# Altium PCB P22296-1-DES-1.2.PcbDoc (part 2 of 5) (continued)
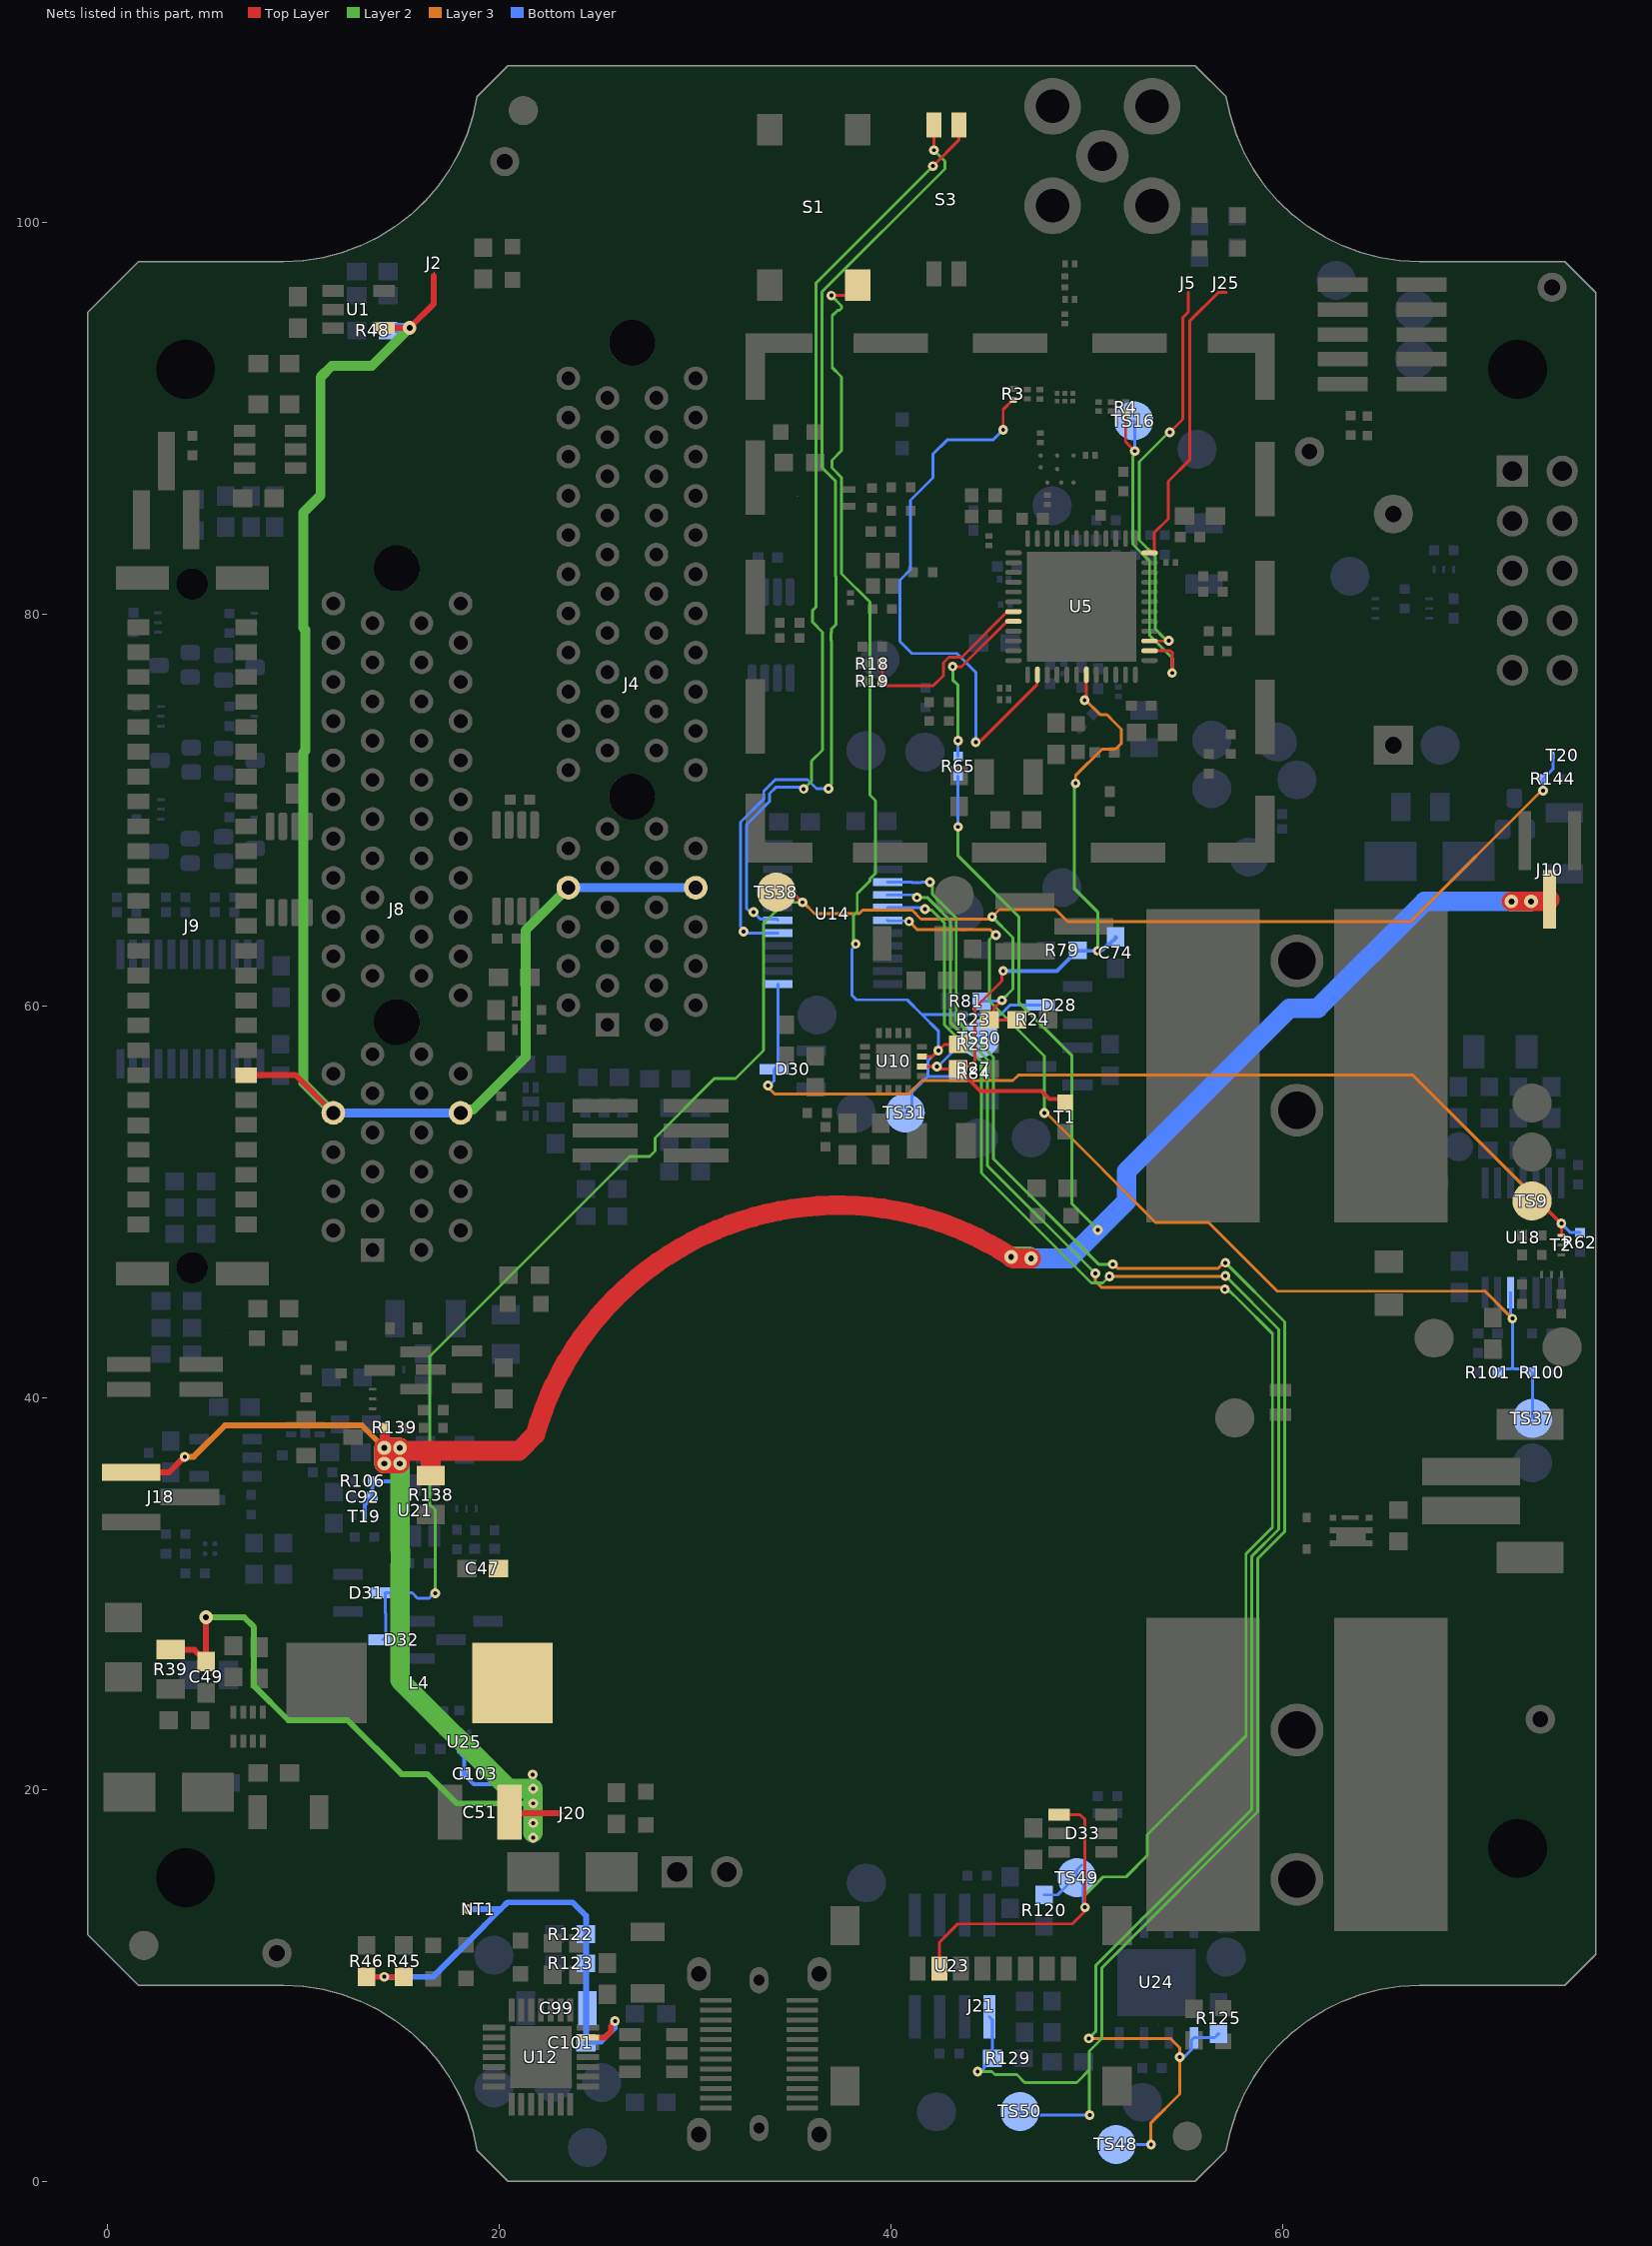
[diagram p6: the nets of this part, all layers, seen from the top]
## Part data (continued)
L3 L5: library part "IND 600E 0A3/1", "600E @100Mhz 0.3A", ManufactpartCode=742792653-WE, EngPartGrpMainCode=IND, PartCode="IND 600E 0A3/1", Preferred=False, SMD_Flag=True, Type="Ferrite bead SMD"
L4: library part "IND 8U2 10A/1", "8.2uH, 10A 33.4mOhm SMD", ManufactpartCode=SRP1038CC-8R2M-BRN, EngPartGrpMainCode=IND, PartCode="IND 8U2 10A/1", Preferred=False, SMD_Flag=True, Type="Inductor choke SMD"
L7: library part "IND 15U 0A12/1", "15uH 120mA", ManufactpartCode=MLZ2012M150WT000-TDK, EngPartGrpMainCode=IND, PartCode="IND 15U 0A12/1", Preferred=False, SMD_Flag=True, Type="Inductor choke SMD"
LBL1: library part "LBL STCK/20", "Multi-funct labels12.7 x25.4mm", ManufactpartCode=-, EngPartGrpMainCode=CASE, PartCode="LBL STCK/20", Preferred=False, SMD_Flag=False, Type="Standard Label"
LBL2: "Production Label", PartCode=LABEL
NT1: library part NET_TIE, "Net-Tie for 2 Nets"
R1 R7 R31 R33 R36 R42 R45 R46 R47 R49 R50 R122 R123: library part "R 1K/60", "1K, 100mW, 1%", ManufactpartCode=RC0603FR-071KL-YAG, EngPartGrpMainCode=RES, PartCode="R 1K/60", Preferred=True, SMD_Flag=True, Type="Resistor metalfilm SMD"
R2: library part "R 0E/90", "0E 0.05W 1%", ManufactpartCode=CRCW02010000Z0ED-VIS, EngPartGrpMainCode=RES, PartCode="R 0E/90", Preferred=False, SMD_Flag=True, Type="Resistor metalfilm SMD"
R3 R4: library part "R 100E/91", "100E 0.05W 5% 100ppm", ManufactpartCode=CRCW0201100RJNED-VIS, EngPartGrpMainCode=RES, PartCode="R 100E/91", Preferred=False, SMD_Flag=True, Type="Resistor metalfilm SMD"
R5 R8 R10 R11 R12 R16 R17 R29 R30 R35 R51 R53 R54 R55 R56 R61 R91 R92 R99 R109 R119 R121 R127 R128 R131 R132 R133 R134 R135 R136 R137: library part "R 0E/70", "0E, 62.5mW, 1%", ManufactpartCode=RC0402JR-070RL-YAG, EngPartGrpMainCode=RES, PartCode="R 0E/70", Preferred=False, SMD_Flag=True, Type="Resistor metalfilm SMD"
R6 R18 R22 R28 R58 R100 R105 R106 R108 R112 R114 R144: library part "R 1M/70", "1M, 62.5mW, 1%", ManufactpartCode=RC0402FR-071ML-YAG, EngPartGrpMainCode=RES, PartCode="R 1M/70", Preferred=False, SMD_Flag=True, Type="Resistor metalfilm SMD"
R9 R34: library part "R 100E/70", "100E, 62.5mW, 1%", ManufactpartCode=RC0402FR-07100RL-YAG, EngPartGrpMainCode=RES, PartCode="R 100E/70", Preferred=False, SMD_Flag=True, Type="Resistor metalfilm SMD"
R13 R15 R70 R72 R116 R117 R118: library part "R 4K7/70", "4K7, 62.5mW, 1%", ManufactpartCode=RC0402FR-074K7L-YAG, EngPartGrpMainCode=RES, PartCode="R 4K7/70", Preferred=False, SMD_Flag=True, Type="Resistor metalfilm SMD"
R14 R19 R32 R59 R60 R62 R63 R64 R68 R69 R73 R74 R75 R76 R77 R78 R97 R101 R143 R153: library part "R 100K/70", "100K, 62.5mW, 1%", ManufactpartCode=RC0402FR-07100KL-YAG, EngPartGrpMainCode=RES, PartCode="R 100K/70", Preferred=False, SMD_Flag=True, Type="Resistor metalfilm SMD"
R20 R48 R126 R146: library part "R 10E/60", "10E 0.1W 1%", ManufactpartCode=RC0603FR-0710RL-YAG, EngPartGrpMainCode=RES, PartCode="R 10E/60", Preferred=False, SMD_Flag=True, Type="Resistor metalfilm SMD"
R21: library part "R 1K5/60", "1K5, 100mW, 1%", ManufactpartCode=RC0603FR-071K5L-YAG, EngPartGrpMainCode=RES, PartCode="R 1K5/60", Preferred=False, SMD_Flag=True, Type="Resistor metalfilm SMD"
R23: library part "R 330E/60", "330E, 100mW, 1%", ManufactpartCode=RC0603FR-07330RL-YAG, EngPartGrpMainCode=RES, PartCode="R 330E/60", Preferred=True, SMD_Flag=True, Type="Resistor metalfilm SMD"
R24 R25 R26 R79 R80 R81 R88 R145 R154: library part "R 100K/60", "100k 100mW, 1%", ManufactpartCode=CRG0603F100K-TEC, EngPartGrpMainCode=RES, PartCode="R 100K/60", Preferred=True, SMD_Flag=True, Type="Resistor metalfilm SMD"
R27 R98: library part "R 1M/60", "1M 0.1W 1%", ManufactpartCode=RC0603FR-071ML-YAG, EngPartGrpMainCode=RES, PartCode="R 1M/60", Preferred=False, SMD_Flag=True, Type="Resistor metalfilm SMD"
R37: library part "R 22E/60", "22E 0.1W 1%", ManufactpartCode=RC0603FR-0722RL-YAG, EngPartGrpMainCode=RES, PartCode="R 22E/60", Preferred=True, SMD_Flag=True, Type="Resistor metalfilm SMD"
R38 R57 R65 R139: library part "R 10K/70", "10K, 62.5mW, 1%", ManufactpartCode=RC0402FR-0710KL-YAG, EngPartGrpMainCode=RES, PartCode="R 10K/70", Preferred=False, SMD_Flag=True, Type="Resistor metalfilm SMD"
R39: library part "R 30K9/11", "30k9 0.1W 1%", ManufactpartCode=RC0805FR-0730K9L-YAG, EngPartGrpMainCode=RES, PartCode="R 30K9/11", Preferred=False, SMD_Flag=True, Type="Resistor metalfilm SMD"
R40 R84 R94 R103 R115: library part "R 0E/60", "0E 100mW, 1%", ManufactpartCode=RC0603FR-070RL-YAG, EngPartGrpMainCode=RES, PartCode="R 0E/60", Preferred=True, SMD_Flag=True, Type="Resistor metalfilm SMD"
R41 R71 R83: library part "R 10K/60", "10k 100mW, 1%", ManufactpartCode=RC0603FR-0710KL-YAG, EngPartGrpMainCode=RES, PartCode="R 10K/60", Preferred=True, SMD_Flag=True, Type="Resistor metalfilm SMD"
R43 R111 R120 R125 R129: library part "R 47K/60", "47k 100mW 1%", ManufactpartCode=RC0603FR-0747KL-YAG, EngPartGrpMainCode=RES, PartCode="R 47K/60", Preferred=False, SMD_Flag=True, Type="Resistor metalfilm SMD"
R44: library part "R 22K/60", "22K 0.1W 1%", ManufactpartCode=RC0603FR-0722KL-YAG, EngPartGrpMainCode=RES, PartCode="R 22K/60", Preferred=False, SMD_Flag=True, Type="Resistor metalfilm SMD"
R52 R95: library part "R 0E/10", ManufactpartCode=RC1206FR-070RL-YAG, EngPartGrpMainCode=RES, PartCode="R 0E/10", Preferred=True, SMD_Flag=True, Type="Resistor metalfilm SMD"
R66: library part "R 100E/10", "100E 0.25W 1%", ManufactpartCode=RC1206FR-07100RL-YAG, EngPartGrpMainCode=RES, PartCode="R 100E/10", Preferred=True, SMD_Flag=True, Type="Resistor metalfilm SMD"
R67: library part "R 22E/17", "22E 0.5W 5%", ManufactpartCode=SG73P2ATTD220G-KOA, EngPartGrpMainCode=RES, PartCode="R 22E/17", Preferred=False, SMD_Flag=True, Type="Resistor metalfilm SMD"
R82: library part "R 0E1/0W5/10", "0E1 1% 0,5W 50ppm", ManufactpartCode=KDV12FR100ET-OHM, EngPartGrpMainCode=RES, PartCode="R 0E1/0W5/10", Preferred=False, SMD_Flag=True, Type="Resistor powerfilm SMD"
R85 R107: library part "R 15K/60", "15k 100mW 1%", ManufactpartCode=RC0603FR-0715KL-YAG, EngPartGrpMainCode=RES, PartCode="R 15K/60", Preferred=False, SMD_Flag=True, Type="Resistor metalfilm SMD"
R86 R87 R147 R148 R149 R150 R151 R152: library part "R 100E/60", "100E 100mW, 1%", ManufactpartCode=RC0603FR-07100RL-YAG, EngPartGrpMainCode=RES, PartCode="R 100E/60", Preferred=True, SMD_Flag=True, Type="Resistor metalfilm SMD"
R89: library part "R 30K/60", "30k 100mW, 1%", ManufactpartCode=RC0603FR-0730KL-YAG, EngPartGrpMainCode=RES, PartCode="R 30K/60", Preferred=False, SMD_Flag=True, Type="Resistor metalfilm SMD"
R90: library part "R 3K/60", "3k 0.1W 1%", ManufactpartCode=RC0603FR-073KL-YAG, EngPartGrpMainCode=RES, PartCode="R 3K/60", Preferred=False, SMD_Flag=True, Type="Resistor metalfilm SMD"
R93: library part "R 1K6/60", "1.6k 100mW 1%", ManufactpartCode=RC0603FR-071K6L-YAG, EngPartGrpMainCode=RES, PartCode="R 1K6/60", Preferred=False, SMD_Flag=True, Type="Resistor metalfilm SMD"
R96 R104: library part "R 0E/11", "0E 0.125W 5%", ManufactpartCode=RC0805JR-070RL-YAG, EngPartGrpMainCode=RES, PartCode="R 0E/11", Preferred=True, SMD_Flag=True, Type="Resistor metalfilm SMD"
R102: library part "R 10M/60", "10M 0.1W 1%", ManufactpartCode=RC0603FR-0710ML-YAG, EngPartGrpMainCode=RES, PartCode="R 10M/60", Preferred=False, SMD_Flag=True, Type="Resistor metalfilm SMD"
R110: library part "R 20K/60", "20k 100mW, 1%", ManufactpartCode=RC0603FR-0720KL-YAG, EngPartGrpMainCode=RES, PartCode="R 20K/60", Preferred=False, SMD_Flag=True, Type="Resistor metalfilm SMD"
R113 R140: library part "R 510K/70", "510K 62.5mW 1%", ManufactpartCode=RC0402FR-10510KL-YAG, EngPartGrpMainCode=RES, PartCode="R 510K/70", Preferred=False, SMD_Flag=True, Type="Resistor metalfilm SMD"
R124 R130: library part "R 5K1/61", "5k1 0.1W 5%", ManufactpartCode=RC0603JR-075K1L-YAG, EngPartGrpMainCode=RES, PartCode="R 5K1/61", Preferred=False, SMD_Flag=True, Type="Resistor metalfilm SMD"
R138: library part "R 68E/11", "68E  0.125W 1%", ManufactpartCode="CRG0805F68R TYC", EngPartGrpMainCode=RES, PartCode="R 68E/11", Preferred=False, SMD_Flag=True, Type="Resistor metalfilm SMD"
R141: library part "R 20K/70", "20K 1% 0.1W", ManufactpartCode=RC0402FR-0720KP-YAG, EngPartGrpMainCode=RES, PartCode="R 20K/70", Preferred=False, SMD_Flag=True, Type="Resistor metalfilm SMD"
R142: library part "R 300K/70", "300K, 62.5mW, 1%", ManufactpartCode=RC0402FR-07300KL-YAG, EngPartGrpMainCode=RES, PartCode="R 300K/70", Preferred=False, SMD_Flag=True, Type="Resistor metalfilm SMD"
RT1: library part "R 10K/NTC4", "NTC 10K 3% SMD 0805", ManufactpartCode=NTCS0805E3103JMT-VIS, EngPartGrpMainCode=RES, PartCode="R 10K/NTC4", Preferred=False, SMD_Flag=True, Type="Resistor NTC PTC LDR sens. SMD"
S1: library part "SW PBSPNO/25", "PCB SPNO 6x6.6mm, h=4,3mm refl", ManufactpartCode=B3S-1000P-OMR, EngPartGrpMainCode=SWI, PartCode="SW PBSPNO/25", Preferred=False, SMD_Flag=True, Type="Switch push button SMD"
S2: library part "MEC SHIELD", "PCB SMD shield", ManufactpartCode=2118718-2-TEC, Manufacturer="Masach Tech", Manufacturer_Part_Number=MS409-10, EngPartGrpMainCode=MEC, PartCode="MEC SHIELD", Preferred=False, SMD_Flag=True, Type="Spacer SMD"
S3: library part "SW DIP2SO/G2", "DIP,2p,Straight,H=2,3mm,SMD,AU", ManufactpartCode=GDH02S04-TYC, EngPartGrpMainCode=SWI, PartCode="SW DIP2SO/G2", Preferred=False, SMD_Flag=True, Type="Switch slide SMD"
T1: library part "IC ALS-PT19", "Ambient Light Sensor", ManufactpartCode=ALS-PT19-315C/L177/TR8-EVE, EngPartGrpMainCode=IC, PartCode="IC ALS-PT19", Preferred=False, Remark="Bottom Marking", SMD_Flag=True, Type="IC Peripheral SMD"
T2 T7 T11 T12 T13 T14 T15 T16 T17 T21: library part "TRA CSD13385F5", "7.1A, 12V, N-channel FemtoFet", ManufactpartCode=CSD13385F5-TI, EngPartGrpMainCode=TRAN, PartCode="TRA CSD13385F5", Preferred=False, SMD_Flag=True, Type="FET N-channel SMD"
T3 T9 T10 T18 T19 T20: library part "TRA CSD23285F5", "3.3A, 12V, P-channel FemtoFet", ManufactpartCode=CSD23285F5-TI, EngPartGrpMainCode=TRAN, PartCode="TRA CSD23285F5", Preferred=False, SMD_Flag=True, Type="FET P-channel SMD"
T4 T5: library part "TRA BSS139I", "30mA, 250V, 30Rds", ManufactpartCode=BSS139IXTSA1-INF, EngPartGrpMainCode=TRAN, PartCode="TRA BSS139I", Preferred=False, SMD_Flag=True, Type="FET N-channel SMD"
T6: library part "TRA 2SK932-24", "50mA, 15V, JFET N-channel", ManufactpartCode=2SK932-24-TB-E-ONS, EngPartGrpMainCode=TRAN, PartCode="TRA 2SK932-24", Preferred=False, SMD_Flag=True, Type="FET N-channel SMD"
T8: library part "TRA SIA471DJ-T1", "30V 12.9A 0.014E logic level", ManufactpartCode=SIA471DJ-T1-GE3-VIS, EngPartGrpMainCode=TRAN, PartCode="TRA SIA471DJ-T1", Preferred=False, SMD_Flag=True, Type="FET P-channel SMD"
T22: library part "TRA 2N7002", "60V 115mA", ManufactpartCode=2N7002-PHI, EngPartGrpMainCode=TRAN, PartCode="TRA 2N7002", Preferred=False, SMD_Flag=True, Type="FET N-channel SMD"
TS1 TS4 TS5 TS6 TS7 TS8 TS9 TS10 TS11 TS12 TS13 TS14 TS15 TS16 TS17 TS18 TS19 TS20 TS21 TS22 TS23 TS24 TS25 TS26 TS27 TS28 TS29 TS30 TS31 TS32 TS34 TS36 TS37 TS38 TS39 TS40 TS41 TS42 TS43 TS44 TS45 TS46 TS47 TS48 TS49 TS50: library part TESTPAD-2.0, "0.5mm Testpad SMD", PartCode=TESTPAD-2.0
U1: library part "IC TLV333/SOT", "Op-Amp zero drift", ManufactpartCode=TLV333IDBVT-TI, EngPartGrpMainCode=IC, PartCode="IC TLV333/SOT", Preferred=False, SMD_Flag=True, Type="IC OpAmp SMD"
U2: library part "IC BGS12WN6", "RF-switch", ManufactpartCode=BGS12WN6E6327XTSA1-INF, Manufacturer=INFINEON, Manufacturer_Part_Number=BGS12SN6, EngPartGrpMainCode=IC, PartCode="IC BGS12WN6", Preferred=False, SMD_Flag=True, Type="IC microcontroller SMD"
U3: library part "IC REF35250QDBV", "REF35250QDBVR, 2,5V", ManufactpartCode=REF35250QDBVR-TI, EngPartGrpMainCode=IC, PartCode="IC REF35250QDBV", Preferred=False, SMD_Flag=True, Type="IC voltage reference SMD"
U4: library part "IC BALFHB-WL-05", "Balun", ManufactpartCode=BALFHB-WL-05D3-STM, Manufacturer=STMICROELECTRONICS, Manufacturer_Part_Number="IPD STM STM32WL", EngPartGrpMainCode=IC, PartCode="IC BALFHB-WL-05", Preferred=False, SMD_Flag=True, Type="IC interface SMD"
U5: library part "IC STM32WL55CC", ManufactpartCode=STM32WL55CCU6-STM, EngPartGrpMainCode=IC, PartCode="IC STM32WL55CC", Preferred=False, SMD_Flag=True, Type="IC microcontroller SMD"
U7 U8 U13: library part "IC TCA9406", "I2C Level translator", ManufactpartCode=TCA9406DCTR-TI, EngPartGrpMainCode=IC, PartCode="IC TCA9406", Preferred=False, SMD_Flag=True, Type="IC driver SMD"
U9 U16 U20: library part "IC SIP32431DN", "load sw, 5.5V, 10pA Ishutdown", ManufactpartCode=SIP32431DNP3-T1GE4-VIS, EngPartGrpMainCode=IC, PartCode="IC SIP32431DN", Preferred=False, SMD_Flag=True, Type="IC switch SMD"
U10: library part "IC AM1805", "Low power I2C RTC", ManufactpartCode=AM1805AQ-AMB, EngPartGrpMainCode=IC, PartCode="IC AM1805", Preferred=False, SMD_Flag=True, Type="IC RTC SMD"
U11: library part "IC TPS62932", "Buck 3.8-30V to 0.2-22V 2A", ManufactpartCode=TPS62932DRLR-TI, EngPartGrpMainCode=IC, PartCode="IC TPS62932", Preferred=False, SMD_Flag=True, Type="IC regulator SMD"
U12: library part "IC CP2102N-A02", "USB to UART Bridge", ManufactpartCode=CP2102N-A02-GQFN28-SIL, EngPartGrpMainCode=IC, PartCode="IC CP2102N-A02", Preferred=False, SMD_Flag=True, Type="IC interface SMD"
U14 U15: library part "IC TCA9535/SO", "16-bits  I2C I/O Expander", ManufactpartCode=TCA9535PWR-TI, EngPartGrpMainCode=IC, PartCode="IC TCA9535/SO", Preferred=False, SMD_Flag=True, Type="IC Peripheral SMD"
U17 U19: library part "IC GLF2310A-T1", "load sw adj current limit 5.5V", ManufactpartCode=GLF2310A-T1G7-GLF, EngPartGrpMainCode=IC, PartCode="IC GLF2310A-T1", Preferred=False, SMD_Flag=True, Type="IC switch SMD"
U18: library part "IC BQ35100", "Lithium Fuel Gauge", ManufactpartCode=BQ35100PW-TI, EngPartGrpMainCode=IC, PartCode="IC BQ35100", Preferred=False, SMD_Flag=True, Type="IC analog SMD"
U21: library part "IC GLF4001", "Power mulitplexer, 5.5V, 2A", ManufactpartCode=GLF4001-GLF, EngPartGrpMainCode=IC, PartCode="IC GLF4001", Preferred=False, SMD_Flag=True, Type="IC switch SMD"
U22: library part "IC GLF76311", "Smart load sw, 2A, 5.5V", ManufactpartCode=GLF76311-GLF, EngPartGrpMainCode=IC, PartCode="IC GLF76311", Preferred=False, SMD_Flag=True, Type="IC switch SMD"
U23: library part "IC FM25L16B", "16k, SPI, FRAM", ManufactpartCode=FM25L16B-GTR-INF, EngPartGrpMainCode=IC, PartCode="IC FM25L16B", Preferred=False, SMD_Flag=True, Type="IC EEPROM smd"
U24: library part "IC AT25QF641BM", "AT25QF641b 64Mbit dataflash", ManufactpartCode=AT25QF641B-MHB-T-ADE, EngPartGrpMainCode=IC, PartCode="IC AT25QF641BM", Preferred=False, SMD_Flag=True, Type="IC Flash SMD"
U25: library part "IC ADCMP380-1", "LM293 dual comparator", ManufactpartCode=ADCMP380-1ACBZ-RL7-AD, EngPartGrpMainCode=IC, PartCode="IC ADCMP380-1", Preferred=False, SMD_Flag=True, Type="IC comparator SMD"
XT1: library part "OSC 32MHZ/2", "32Mhz 1V7-3V465 2x1.6mm", ManufactpartCode=ECS-TXO-20CSMV-320-EY-TR-ECS, EngPartGrpMainCode=XTAL, PartCode="OSC 32MHZ/2", Preferred=False, SMD_Flag=True, Type="Crystal Oscillator SMD"
XT2 XT3: library part "XT 32.768KHZ/S2", "32.768kHz 20ppm 12.5pF", ManufactpartCode="FC-135 32.7680KA-A3-EPS", EngPartGrpMainCode=XTAL, PartCode="XT 32.768KHZ/S2", Preferred=False, SMD_Flag=True, Type="Quarz crystal SMD"
ZZDIV1 ZZDIV2: library part "MEC PCBGUIDE/2", "Vertical card guide 30mm", ManufactpartCode=VMCGLE-31M-01-ESS, EngPartGrpMainCode=MEC, PartCode="MEC PCBGUIDE/2", Preferred=False, SMD_Flag=False, Type=Various

## Via types
v1: diameter 0.5, hole 0.2, Top Layer to Bottom Layer, tented both sides, 876 vias
v2: diameter 0.7/0.7/0.7/0.7/0.7/0.7 (per signal layer), hole 0.3, Top Layer to Bottom Layer, tented bottom, 83 vias
v3: diameter 0.5, hole 0.2, Top Layer to Bottom Layer, 4 vias
v4: diameter 1, hole 0.5, Top Layer to Bottom Layer, tented bottom, 2 vias

## Nets (pads, with @x,y where several pads share a name; then routed paths per layer and width w, separated by ;. In a path a pad name is that pad's centre, name@x,y a point inside that pad or via, vN(x,y) a via of type N, cw(c..) or ccw(c..) an arc to the next point about the centre after c; other vN are vias at no path point)
3V3_DETECT_4: R65.1 U5.32 | length 8.8
  Top Layer w0.15: v1(43.16,77.33) 43.174,77.316 43.613,77.316 45.88,79.583 45.887,79.583 45.937,79.633 U5.32@46.264,79.633
  Layer 2 w0.15: v1(43.16,77.33) 43.163,77.327 43.163,76.644 43.438,76.369 v1(43.438,73.541)
  Bottom Layer w0.15: R65.1@43.438,72.741 v1(43.438,73.541)
+2V5_ref: J2.2 J4.A8 J4.B8 J8.A8 J8.B8 J9.B7 R48.2 U1.4 | length 82.3
  Top Layer w0.3: J9.B7@7.088,56.471 9.608,56.471 J8.A8@11.538,54.541 ; U1.4@14.001,94.478 U1.4@14.126,94.603 14.139,94.616 v2(15.434,94.616) 16.672,95.854 16.672,97.269
  Layer 2 w0.5: J8.A8@11.538,54.541 10.013,56.066 10.013,72.944 10.102,73.033 10.102,79.206 10.013,79.295 10.013,85.191 10.888,86.066 10.888,92.106 11.462,92.68 13.497,92.68 v2(15.434,94.616) ; J8.B8@18.038,54.541 18.211,54.715 18.686,54.715 21.363,57.391 21.363,63.866 J4.A8@23.538,66.041
  Bottom Layer w0.45: J8.A8@11.538,54.541 J8.B8@18.038,54.541 ; J4.A8@23.538,66.041 J4.B8@30.038,66.041
  Bottom Layer w0.5: R48.2@14.338,94.474 14.48,94.616 v2(15.434,94.616)
+3V3: C47.2 C49.2 C51.2 C92.2 C103.1 J10.2 J18.3 J20.2 L4.2 R39.2 R65.2 R106.2 R138.1 R139.2 T19.S U21.4 U25.A1 | length 189.1
  Top Layer w0.3: J18.3@1.213,36.192 3.153,36.192 v1(3.952,36.991) ; R39.2@3.238,27.141 4.438,27.141 4.688,26.891 4.738,26.891 C49.2@5.038,26.591 ; C49.2@5.038,26.541 C49.2@5.038,26.591 ; v2(5.038,28.791) C49.2@5.038,26.591 ; C51.2@20.538,18.841 20.588,18.791 23.088,18.791
  Top Layer w0.5: v2(14.138,37.441) 14.163,37.466 R139.2@14.163,38.466
  Top Layer w1: v2(14.138,37.441) 14.138,36.645 v2(14.142,36.641) v2(14.938,36.641) v2(14.938,37.441) v2@14.142,37.441 ; v2@14.938,37.291 16.513,37.291 ; R138.1@16.513,36.029 16.513,37.291 ; v2(47.165,47.113) 46.258,47.113 ccw(c37.323,33.748) v2(46.143,47.19) ccw(c37.323,33.748) 46.061,47.243 ccw(c37.323,33.748) 42.754,48.88 ccw(c37.323,33.748) 42.202,49.067 ccw(c37.323,33.748) 31.731,48.821 ccw(c37.323,33.748) 21.853,38.124 21.02,37.291 16.513,37.291 ; v2(71.688,65.336) v2(72.688,65.336) 73.563,65.336 73.638,65.411 J10.2@73.638,65.441
  Layer 2 w0.15: v1(43.438,69.141) 43.438,67.663 46.534,64.567 46.534,63.619 46.538,63.615 46.538,60.734 46.534,60.73 46.534,60.191 49.238,57.487 49.238,49.912 v1(50.579,48.571)
  Layer 2 w0.3: v1@3.848,37.041 3.898,36.991 v1(3.952,36.991) ; v2(5.038,28.791) 6.988,28.791 7.488,28.291 7.488,25.291 9.238,23.541 12.267,23.541 15.017,20.791 16.337,20.791 17.837,19.291 v1(21.738,19.291)
  Layer 2 w1: 21.738,17.791 v1(21.738,18.291) v1(21.738,19.291) v1(21.738,20.041) 20.488,20.041 14.938,25.591 14.938,31.443 14.963,31.468 14.963,32.214 14.938,32.239 v2(14.938,36.641) ; v2(46.143,47.19) 47.088,47.19 v2(47.165,47.113) ; v2(14.938,36.641) v2(14.938,37.441) v2(14.138,37.441) 14.138,36.645 v2(14.142,36.641) v2(14.938,36.641)
  Layer 3 w0.3: v1(3.952,36.991) 4.41,36.991 6.01,38.591 6.711,38.591 12.988,38.591 v2(14.138,37.441)
  Bottom Layer w0.15: v1(43.438,69.141) R65.2@43.438,71.741
  Bottom Layer w0.2: T19.S@13.138,33.941 13.138,34.541 13.358,34.761 13.358,34.781 13.518,34.941 C92.2@13.538,34.941 R106.2@13.538,35.741 14.588,35.741 U21.4@14.788,35.541 ; U25.A1@17.973,21.942 17.973,21.925 18.093,21.805 18.093,21.784 18.223,21.654 C103.1@18.223,20.791 ; C103.1@18.273,20.791 18.293,20.791 18.453,20.631 18.453,20.525 18.697,20.281 19.657,20.281 19.732,20.356 21.721,20.356
  Bottom Layer w0.3: v1(21.721,20.766) 21.738,20.75 21.738,20.356 v1(21.738,20.041) v1(21.738,19.291) v1(21.738,18.291) v1(21.738,17.541)
  Bottom Layer w1: v2(46.143,47.19) 47.088,47.19 v2(47.165,47.113) 49.121,47.113 52.033,50.025 52.033,51.562 60.363,59.891 61.809,59.891 67.254,65.336 71.533,65.336 v2(71.688,65.336) v2(72.688,65.336)
+3V3_USB: C99.2 C101.2 NT1.2 R45.2 R46.2 R122.1 R123.2 U12.6 | length 26
  Top Layer w0.3: R46.2@13.238,10.441 v1(14.138,10.441) R45.2@15.138,10.441 ; U12.6@24.538,7.341 25.413,7.341 25.712,7.641 25.712,7.927 25.917,8.132 v1(25.917,8.186)
  Bottom Layer w0.3: v1(14.138,10.441) 16.602,10.441 ; 16.632,10.441 19.247,13.056 ; v1(18.413,13.891) 20.082,13.891 ; 19.269,13.077 20.082,13.891 ; C101.2@24.438,7.091 24.487,7.14 25.212,7.14 25.892,7.82 25.892,8.161 v1(25.917,8.186) ; C101.2@24.438,7.241 R123.2@24.438,11.123 R122.1@24.438,12.616 24.438,13.566 23.763,14.241 20.432,14.241 20.082,13.891
\_10: D28.C R25.1 R84.2 S1.NO1 TS31.1 U10.3 | length 59.5
  Top Layer w0.15: v1(36.965,96.265) 38.113,96.265 S1.NO1@38.263,96.116 ; U10.3@41.588,57.416 42.113,57.416 v1(42.423,57.727) 42.734,58.037 43.434,58.037 R25.1@43.438,58.041
  Layer 2 w0.15: v1(36.965,96.265) 37.488,95.743 37.488,95.619 37.385,95.516 37.291,95.516 37.013,95.238 37.013,92.594 37.488,92.119 37.488,88.355 36.995,87.863 36.995,87.469 37.488,86.977 37.488,82.065 38.934,80.619 38.934,70.767 39.213,70.488 39.213,66.769 38.934,66.49 38.934,66.386 38.288,65.74 38.288,64.811 38.102,64.626 38.102,63.375 38.213,63.265 v1(38.213,63.17)
  Bottom Layer w0.15: v1(38.213,63.17) 38.213,63.089 38.03,62.907 38.03,60.536 38.251,60.316 40.84,60.316 41.593,59.562 ; TS31.1@40.738,54.541 41.092,54.895 41.092,55.606 41.888,56.402 ; R84.2@43.433,56.566 43.269,56.402 41.888,56.402 ; D28.C@47.64,60.041 46.092,60.041 45.613,59.562 44.604,59.562 ccw(c44.541,58.339) 44.479,59.562 41.593,59.562 ; 41.593,59.562 42.423,58.732 v1(42.423,57.727) 41.888,57.191 41.888,56.402
\R\T\C\_\P\W\R\_\E\N\: D31.C D32.C R23.2 R24.1 R81.2 R144.1 T20.G TS38.1 U14.20 | length 105.4
  Top Layer w0.15: TS38.1@34.163,65.937 34.517,65.583 35.196,65.583 v1(35.488,65.291) ; v1(45.67,60.291) 45.258,59.878 45.258,59.511 R23.2@45.038,59.291 R24.1@46.438,59.291
  Layer 2 w0.15: v1(16.738,30.016) 16.738,34.275 16.463,34.55 16.463,42.108 26.67,52.316 27.684,52.316 27.963,52.594 27.963,53.266 30.988,56.291 32.069,56.291 33.5,57.723 33.5,64.207 34.584,65.291 v1(35.488,65.291) ; v1(45.176,64.552) 46.238,63.491 46.238,60.858 v1(45.67,60.291)
  Layer 3 w0.15: v1(35.488,65.291) 35.531,65.291 36.106,64.716 38.385,64.716 38.567,64.897 41.091,64.897 41.547,64.441 44.97,64.441 45.081,64.552 v1(45.176,64.552) 45.539,64.916 48.412,64.916 49.012,64.316 66.553,64.316 73.228,70.991 v1(73.303,70.991)
  Bottom Layer w0.15: D32.C@14.07,27.645 14.213,27.788 14.213,28.988 14.188,29.013 D31.C@14.188,30.041 15.566,30.041 15.841,29.766 16.425,29.766 16.675,30.016 v1(16.738,30.016) ; U14.20@34.238,65.674 34.258,65.654 35.125,65.654 v1(35.488,65.291) ; R81.2@44.638,60.241 45.62,60.241 v1(45.67,60.291) ; v1(73.303,70.991) R144.1@73.303,71.591 73.803,72.091 T20.G@73.803,72.791
ADC_SENS_4: R18.2 R19.2 U5.31 | length 9.6
  Top Layer w0.15: R18.2@39.563,77.468 39.563,76.571 39.788,76.346 42.167,76.346 42.685,76.863 42.685,77.527 42.963,77.805 43.627,77.805 45.955,80.133 U5.31@46.264,80.133
BAT_A\L\E\R\T\: D30.C R62.1 T2.D TS9.1 U14.13 | length 53.4
  Top Layer w0.15: TS9.1@72.738,50.041 73.088,50.041 v1(74.238,48.891) T2.D@74.238,48.291
  Layer 3 w0.15: v1(33.733,55.94) 33.733,55.845 34.084,55.495 40.892,55.495 41.588,56.191 46.236,56.191 46.511,56.466 66.663,56.466 v1(74.238,48.891)
  Bottom Layer w0.15: v1(33.733,55.94) 33.795,55.94 34.038,56.183 D30.C@34.038,56.766 34.238,56.966 U14.13@34.238,61.124 ; v1(74.238,48.891) 74.7,48.429 R62.1@75.188,48.429
BOX_OPEN: C74.2 R27.2 R79.2 T1.2 TS30.1 U5.43 U10.2 | length 41.1
  Top Layer w0.15: U10.2@41.588,56.916 v1(42.363,56.916) 42.488,56.791 R27.2@43.438,56.791 43.582,56.935 44.05,56.935 44.291,57.176 44.291,59.894 45.671,61.274 45.671,61.724 v1(45.738,61.791) ; v1@49.989,75.792 U5.43@49.989,76.908
  Top Layer w0.2: R27.2@43.438,56.791 43.463,56.791 43.813,56.441 43.813,56.416 44.563,55.666 47.696,55.666 48.105,55.257 48.718,55.257 T1.2@48.9,55.074
  Layer 2 w0.15: v1(49.438,71.366) 49.371,71.299 49.371,71.111 49.363,71.103 49.363,66.003 50.563,64.803 v1(50.563,62.816)
  Layer 3 w0.15: v1(49.438,71.366) 49.438,71.77 50.77,73.102 51.474,73.102 51.775,73.403 51.775,74.133 51.497,74.411 51.042,74.866 50.691,74.866 49.953,75.603 v1(49.895,75.603)
  Bottom Layer w0.15: v1(42.363,56.916) 42.41,56.916 43.833,58.339 44.923,58.339 TS30.1@45.1,58.516
  Bottom Layer w0.2: v1(45.738,61.791) 48.488,61.791 49.163,62.466 49.163,62.491 49.513,62.841 R79.2@49.538,62.841 49.563,62.816 v1(50.563,62.816) 50.62,62.873 50.832,62.873 51.082,63.124 51.132,63.124 51.482,63.474 C74.2@51.482,63.524
DEBUG_LED1_4: J25.2 U5.12 | length 15.3
  Top Layer w0.15: U5.12@53.214,83.133 53.415,83.133 53.461,83.179 53.461,84.165 54.163,84.866 54.163,86.78 55.257,87.875 55.257,94.96 56.717,96.42 J25.2@57.125,96.42
DEBUG_LED2_4: J5.2 U5.3 | length 20.5
  Top Layer w0.15: U5.3@53.214,78.633 54.167,78.633 v1(54.188,78.653) ; v1(54.245,89.291) 54.907,89.953 54.907,95.141 55.189,95.423 J5.2@55.189,96.42
  Layer 2 w0.15: 52.688,85.744 52.688,86.138 ; 52.688,85.743 52.688,83.768 53.513,82.944 53.513,79.228 53.9,78.841 53.918,78.841 54.106,78.653 v1(54.188,78.653) ; 52.688,86.139 52.688,87.785 54.194,89.291 v1(54.245,89.291)
DEBUG_SW1_4: S3.4 U14.17 | length 50.4
  Top Layer w0.15: v1(42.2,103.686) S3.4@42.2,104.966
  Layer 2 w0.15: v1(36.823,71.093) 36.823,71.187 36.963,71.327 36.963,78.643 36.958,78.648 36.958,79.042 36.963,79.046 36.963,79.236 37.193,79.466 37.193,81.936 37.188,81.941 37.188,86.792 36.49,87.489 36.49,96.462 42.763,102.735 42.763,103.123 v1(42.2,103.686)
  Bottom Layer w0.15: U14.17@34.238,63.724 32.649,63.724 32.582,63.791 v1(32.488,63.791) 32.488,63.886 32.333,64.041 32.333,69.386 33.516,70.57 33.516,70.966 34.104,71.553 35.749,71.553 36.21,71.093 v1(36.823,71.093)
DEBUG_SW2_4: S3.3 U14.18 | length 47.7
  Top Layer w0.15: v1(42.153,102.875) 43.47,104.192 S3.3@43.47,104.966
  Layer 2 w0.15: v1(35.553,71.078) 35.957,71.483 35.957,72.505 36.513,73.06 36.513,79.085 36.013,79.585 36.013,80.2 36.19,80.377 36.19,96.912 v1(42.153,102.875)
  Bottom Layer w0.15: U14.18@34.238,64.374 34.183,64.428 33.35,64.428 32.921,64.858 32.758,64.858 32.633,64.983 32.633,69.262 33.816,70.445 33.816,70.842 34.153,71.178 35.358,71.178 35.458,71.078 v1(35.553,71.078)
  other v1: 32.988,64.791
FE_CTRL2_4: R3.2 U5.38 | length 29.1
  Top Layer w0.15: v1(44.338,73.468) 44.405,73.535 44.586,73.535 47.47,76.419 47.47,76.864 U5.38@47.498,76.893 ; v1(45.738,89.416) 45.738,90.444 46.239,90.946 R3.2@46.259,90.946
  Bottom Layer w0.15: v1(44.338,73.468) 44.338,77.041 43.383,77.996 41.076,77.996 40.463,78.61 40.463,81.733 41.007,82.277 41.007,85.81 42.157,86.961 42.157,87.256 42.163,87.261 42.163,87.717 42.157,87.723 42.157,88.116 42.163,88.121 42.163,88.182 42.875,88.894 45.215,88.894 v1(45.738,89.416)
FE_CTRL3_4: R4.2 TS16.1 U5.2 | length 18.1
  Top Layer w0.15: R4.2@51.988,90.261 51.988,88.797 v1(52.458,88.327) ; U5.2@53.214,78.133 54.277,78.133 54.365,78.045 v1(54.365,77.001)
  Layer 2 w0.15: v1(52.458,88.327) 52.391,88.26 52.391,88.097 52.358,88.064 52.358,83.571 53.213,82.715 53.213,79.103 53.217,79.1 53.217,78.933 54.365,77.785 v1(54.365,77.001)
  Bottom Layer w0.15: TS16.1@52.401,89.87 52.458,89.813 v1(52.458,88.327)
FLASH_NOR_C\S\: R125.1 TS48.1 U14.6 U24.1 | length 90.7
  Layer 2 w0.15: v1(41.738,64.941) 41.773,64.905 42.073,64.905 42.738,64.241 42.738,59.041 44.626,57.153 44.626,51.481 50.241,45.866 50.829,45.866 51.152,46.189 v1(51.167,46.189) ; v1(50.112,7.298) 50.476,7.661 50.476,11.029 58.438,18.991 58.438,31.915 59.813,33.29 59.813,43.491 v1(57.088,46.216)
  Layer 3 w0.15: v1(50.112,7.298) 54.272,7.298 54.75,6.82 v1(54.75,6.337) 54.75,4.456 53.287,2.993 v1(53.287,1.879) ; v1(51.167,46.189) 57.06,46.189 v1(57.088,46.216)
  Bottom Layer w0.15: U14.6@39.838,65.024 41.56,65.024 41.643,64.941 v1(41.738,64.941) ; TS48.1@51.513,1.879 v1(53.287,1.879) ; v1(54.75,6.337) 54.817,6.404 55.039,6.404 55.256,6.622 55.344,6.71 55.344,7.198 U24.1@55.478,7.332 56.538,7.332 R125.1@56.738,7.532
FLASH_SD_C\S\: D33.4 J21.2 R120.1 TS49.1 U14.5 | length 88.6
  Top Layer w0.15: J21.2@42.481,10.859 42.481,12.202 43.42,13.141 49.265,13.141 49.851,13.727 49.851,13.919 v1(49.918,13.986) 49.918,18.46 49.662,18.716 D33.4@48.604,18.716
  Layer 2 w0.15: v1(41.338,65.541) 41.862,65.541 42.162,65.241 43.038,64.365 43.038,59.165 44.934,57.269 44.934,51.845 v1(50.438,46.341) ; v1(49.918,13.986) 49.918,14.618 50.842,15.541 52.01,15.541 53.103,16.634 53.103,17.7 58.138,22.735 58.138,32.04 59.488,33.39 59.488,43.269 57.788,44.969 57.325,45.431 57.267,45.431 57.157,45.541 v1(57.063,45.541)
  Layer 3 w0.15: v1(50.438,46.341) 50.438,45.95 50.746,45.641 56.8,45.641 56.833,45.608 56.996,45.608 v1(57.063,45.541)
  Bottom Layer w0.15: U14.5@39.838,65.674 41.11,65.674 41.243,65.541 v1(41.338,65.541) ; R120.1@47.838,14.623 48.513,14.623 TS49.1@48.988,15.098 ; TS49.1@49.751,16.149 49.501,15.899 TS49.1@49.501,15.498 49.838,15.161 49.838,14.275 ccw(c50.113,14.275) 49.852,14.19 v1(49.918,13.986)
FRAM_C\S\: R129.1 TS50.1 U14.4 U23.1 | length 93.9
  Layer 2 w0.15: v1(41.997,66.324) 41.997,66.229 42.124,66.103 42.124,65.703 43.338,64.49 43.338,59.29 45.234,57.394 45.234,52.198 50.616,46.816 v1(51.338,46.816) ; v1(44.435,5.609) 45.16,5.609 45.319,5.45 46.435,5.45 46.838,5.048 49.498,5.048 50.138,5.688 ; v1(50.156,3.391) 50.138,3.408 50.138,5.688 ; v1(57.088,46.891) 60.113,43.866 60.113,33.166 58.738,31.791 58.738,18.864 50.776,10.902 50.776,7.537 50.776,7.289 50.138,6.652 50.138,5.688
  Layer 3 w0.15: v1(51.338,46.816) 51.378,46.816 51.6,46.594 56.696,46.594 56.993,46.891 v1(57.088,46.891)
  Bottom Layer w0.15: U14.4@39.838,66.324 41.067,66.324 41.085,66.306 41.562,66.306 41.58,66.324 v1(41.997,66.324) ; v1(44.435,5.609) 44.502,5.676 44.66,5.676 44.788,5.804 44.788,5.898 45.163,6.273 R129.1@45.188,6.273 45.188,8.248 U23.1@45.038,8.398 ; TS50.1@46.597,3.566 46.772,3.391 v1(50.156,3.391)
GE_EN: R100.2 R101.1 TS37.1 U14.7 U18.5 | length 52.7
  Layer 2 w0.15: v1(45.363,63.621) 45.27,63.621 45.038,63.388 45.038,60.252 47.838,57.452 v1(47.838,54.541)
  Layer 3 w0.15: v1(40.938,64.316) 41.363,63.891 45.093,63.891 v1(45.363,63.621) ; v1(47.838,54.541) 47.932,54.541 48.068,54.405 48.073,54.405 53.538,48.941 56.238,48.941 59.738,45.441 70.338,45.441 v1(71.738,44.041)
  Bottom Layer w0.15: U14.7@39.838,64.374 39.866,64.345 40.909,64.345 v1(40.938,64.316) ; R101.1@70.988,41.291 71.163,41.466 71.65,41.466 71.738,41.554 ; U18.5@71.638,45.366 71.638,44.236 71.738,44.136 71.738,42.041 71.738,41.554 ; TS37.1@72.763,38.943 72.763,41.266 72.564,41.464 71.827,41.464 71.738,41.554